# Altium PCB DCAC_V2c.PcbDoc (part 6 of 7)
Units mm, origin at the board's own origin, x right, y up, seen from the top; angles counter-clockwise.
Board outline 174.4 x 124.43 mm, 4 copper layers (Top Layer, TOP_RTN, BOTT_RTN, Bottom Layer), stack 1.506 mm thick; 694 components, 367 nets, 1780 pads, 720 vias.
Unrouted connection lines stored in the file: 177.
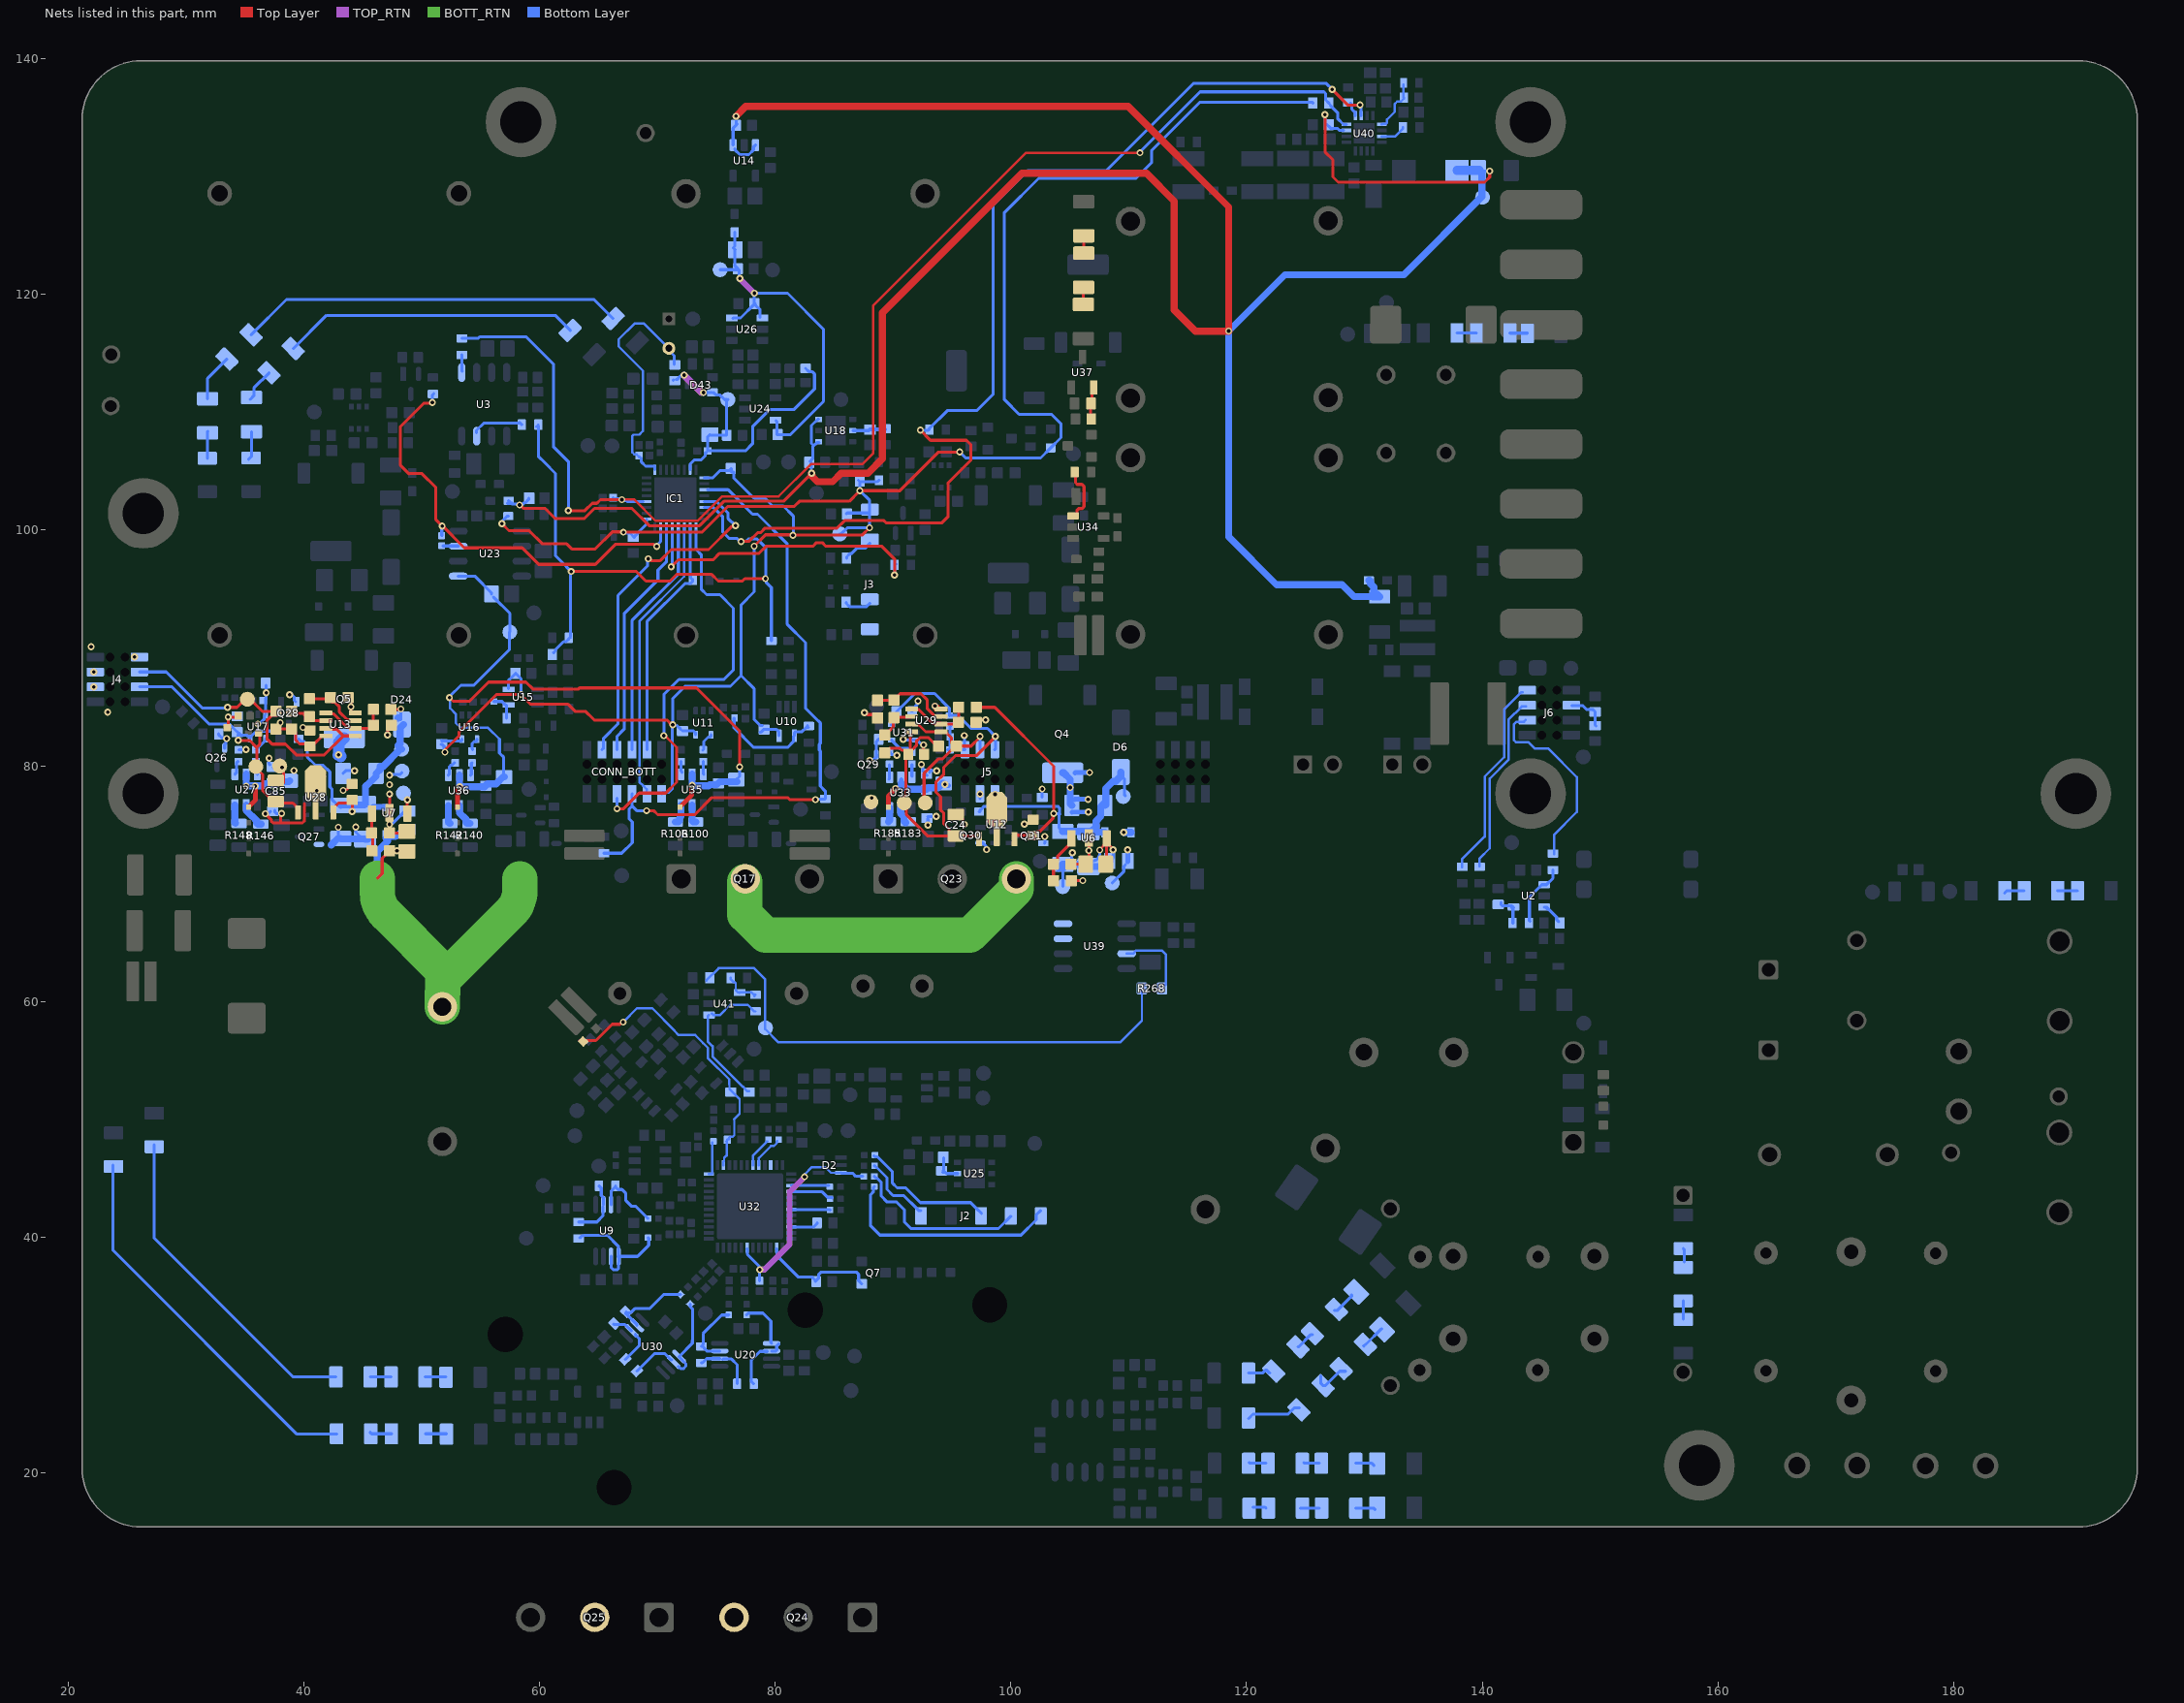
[diagram p8: the nets of this part, all layers, seen from the top]

## Via types
v1: diameter 0.6, hole 0.3, Top Layer to Bottom Layer, tented both sides, 679 vias
v2: diameter 0.6/0.6/0.6/0.6 (per signal layer), hole 0.3, Top Layer to Bottom Layer, tented both sides, 33 vias
v3: diameter 0.6, hole 0.3, Top Layer to Bottom Layer, 8 vias

## Nets (pads, with @x,y where several pads share a name; then routed paths per layer and width w, separated by ;. In a path a pad name is that pad's centre, name@x,y a point inside that pad or via, vN(x,y) a via of type N, cw(c..) or ccw(c..) an arc to the next point about the centre after c; other vN are vias at no path point) (continued)
NetR2_1: R2.1 R5.2 | length 1.5
  Bottom Layer w0.254: R5.2@142.35,116.725 142.362,116.712 143.812,116.712 R2.1@143.825,116.7
NetR5_1: R5.1 R12.2 | length 1.6
  Bottom Layer w0.254: R12.2@137.85,116.725 R5.1@139.5,116.725
NetR6_1: R6.1 R11.2 U25.2 | length 2.4
  Bottom Layer w0.254: R11.2@94.215,45.492 94.44,45.492 94.54,45.392 U25.2@95.465,45.392 ; R11.2@94.24,45.617 94.29,45.667 R6.1@94.29,46.717
NetR8_1: R8.1 R9.1 U20.1 U20.2 | length 9.2
  Bottom Layer w0.254: R8.1@77.575,33.4 77.723,33.548 78.952,33.548 79.63,32.87 79.63,31.044 79.69,30.984 U20.1@79.69,30.976 ; R9.1@78.172,27.544 77.95,27.766 77.95,29.542 78.706,30.298 79.307,30.298 U20.2@79.328,30.32 ; U20.2@79.701,30.326 80.06,30.326 80.127,30.394 80.127,30.752 U20.1@80.325,30.95
NetR9_2: R9.2 R14.1 U20.6 | length 4.8
  Bottom Layer w0.254: R14.1@73.725,29.325 73.825,29.325 74.176,29.676 U20.6@75.29,29.676 ; U20.6@75.545,29.612 75.581,29.648 76.287,29.648 76.772,29.163 R9.2@76.772,27.544
NetR14_2: R14.2 R32.1 U20.7 | length 5.7
  Bottom Layer w0.254: U20.7@75.29,30.326 74.197,30.326 74.048,30.475 74.048,30.502 73.825,30.725 R14.2@73.725,30.725 73.883,30.883 73.883,31.804 75.457,33.378 76.028,33.378 R32.1@76.05,33.4
NetR15_1: R15.1 R17.2 U2.4 | length 2.9
  Bottom Layer w0.254: R15.1@141.58,68.385 141.58,68.235 141.698,68.117 142.508,68.117 142.59,68.035 142.665,67.96 142.6,67.96 142.515,67.96 142.495,67.94 142.6,67.835 R17.2@142.6,66.655
NetR16_1: R16.1 R228.1 U10.4 | length 9
  Bottom Layer w0.254: R16.1@76.507,84.02 76.507,83.218 78.175,81.55 81.05,81.55 81.527,82.027 81.527,82.452 U10.4@81.625,82.55 81.625,82.8 81.723,82.899 82.273,82.899 82.625,83.25 R228.1@82.8,83.25 ; R228.1@82.7,83.35 R228.1@82.75,83.4
NetR17_1: R17.1 R50.2 U2.1 | length 5.4
  Bottom Layer w0.254: R17.1@144.05,66.8 144,66.85 144,68.855 145.05,69.905 145.45,69.905 145.99,70.445 R50.2@145.99,71.15
NetR18_1: R18.1 U11.4 | length 1.7
  Bottom Layer w0.254: R18.1@73.854,81.325 73.931,81.402 73.931,82.056 74.302,82.427 74.477,82.427 74.55,82.5 U11.4@74.55,82.625
NetR18_2: R18.2 U35.3 | length 1.1
  Bottom Layer w0.254: R18.2@73.9,80.35 73.9,79.325 U35.3@73.95,79.275
NetR19_2: R19.2 U3.3 | length 4.7
  Bottom Layer w0.2: R19.2@58.3,109.15 58.37,109.08 R19.2@58.5,108.95
  Bottom Layer w0.254: U3.3@54.65,108.25 54.65,108.46 55.27,109.08 58.37,109.08 R19.2@58.5,108.95
NetR20_2: R20.2 R26.1 | length 1.7
  Bottom Layer w0.254: R20.2@184.336,69.198 184.536,69.398 R26.1@185.986,69.398
NetR26_2: R26.2 R27.1 | length 1.7
  Bottom Layer w0.254: R26.2@188.836,69.398 R27.1@190.511,69.399
NetR28_1: R28.1 R29.2 | length 1.5
  Bottom Layer w0.254: R29.2@157.05,34.575 157.05,33.075 R28.1@157.075,33.05
NetR29_1: R29.1 R39.2 | length 1.2
  Bottom Layer w0.254: R39.2@157.05,39.025 157.15,38.925 R29.1@157.15,37.875
NetR31_2: R31.2 R34.1 U6.1 | length 4.3
  Top Layer w0.254: R31.2@103.55,70.325 R31.2@103.625,70.25 ; R31.2@103.775,70.325 103.613,70.487 103.613,71.637 R34.1@103.6,71.65 103.948,71.998 103.948,72.298 105.125,73.475 U6.1@105.125,73.825
NetR35_2: R35.2 R36.1 U7.1 | length 3.2
  Top Layer w0.254: R35.2@45.775,72.775 45.825,72.825 45.825,74.225 ccw(c45.75,74.225) R36.1@45.75,74.3 45.775,74.325 U7.1@45.775,75.95
NetR45_1: R45.1 R46.2 | length 3.3
  Bottom Layer w0.254: R46.2@126.309,28.206 126.309,27.572 R46.2@126.5,27.38 126.67,27.38 127.9,28.61 R45.1@128.37,28.61
NetR45_2: R45.2 R260.1 | length 2
  Bottom Layer w0.254: R45.2@129.931,30.767 R45.2@129.949,30.749 ; R45.2@130.09,30.89 130.12,30.89 131.425,32.195 R260.1@131.485,32.195
NetR46_1: R46.1 R47.2 | length 4.7
  Bottom Layer w0.254: R47.2@120.175,24.6 120.54,24.965 123.515,24.965 124.051,25.501 R46.1@124.464,25.501
NetR52_1: R52.1 R56.2 | length 1.7
  Bottom Layer w0.254: R56.2@124.355,30.675 124.4,30.675 125.455,31.73 R52.1@125.575,31.73
NetR52_2: R52.2 R261.1 | length 2
  Bottom Layer w0.254: R52.2@127.465,33.78 127.715,33.78 128.871,34.936 R261.1@128.876,34.936 ; R261.1@128.905,34.972 R261.1@128.905,35.099
NetR54_1: R54.1 R61.1 U9.1 U9.2 | length 10.9
  Bottom Layer w0.254: R54.1@63.413,39.93 63.586,40.103 63.737,40.103 63.784,40.15 65.767,40.15 66.685,39.233 66.685,38.383 U9.1@66.713,38.355 68.31,38.355 69.263,39.308 69.263,39.887 R61.1@69.2,39.95 ; U9.2@66.063,38.355 66.091,38.327 66.091,37.384 66.25,37.225 66.601,37.225 66.685,37.309 U9.1@66.685,37.81 ; U9.1@66.645,38.355 66.738,38.262 U9.1@66.738,37.88
NetR54_2: R54.2 R55.1 U9.6 | length 4.8
  Bottom Layer w0.254: R54.2@63.313,41.28 64.863,41.28 65.385,41.802 65.385,42.577 U9.6@65.388,42.58 ; R55.1@65.038,44.355 65.233,44.159 65.233,43.524 65.413,43.344 U9.6@65.413,42.755
NetR55_2: R55.2 R210.1 U9.7 | length 6
  Bottom Layer w0.254: U9.7@66.063,42.755 66.063,43.88 R55.2@66.438,44.255 ; R55.2@66.438,44.355 R55.2@66.438,44.255 ; R210.1@69.2,41.575 68.175,42.6 67.825,42.6 67.325,43.1 67.325,43.7 66.993,44.032 66.661,44.032 R55.2@66.438,44.255
NetR56_1: R56.1 R80.2 | length 2
  Bottom Layer w0.254: R80.2@120.15,28.45 121.338,28.45 121.592,28.704 121.708,28.704 R56.1@121.962,28.45
NetR68_1: R68.1 U32.24 | length 3
  Bottom Layer w0.2: U32.24@74.364,45.356 74.6,45.356 74.65,45.406 R68.1@74.65,48.016
  Bottom Layer w0.254: U32.24@74.609,45.356 U32.24@74.632,45.379
NetR82_1: R82.1 U32.46 | length 2.4
  Bottom Layer w0.254: U32.46@81.364,40.856 83.277,40.856 83.55,41.129 R82.1@83.55,41.2
NetR90_1: R90.1 R91.2 | length 1.3
  Bottom Layer w0.254: R91.2@124.85,20.85 124.9,20.8 R90.1@126.15,20.8
NetR90_2: R90.2 R264.1 | length 1.6
  Bottom Layer w0.254: R90.2@129.25,20.8 130.62,20.8 R264.1@130.8,20.62
NetR91_1: R91.1 R92.2 | length 1.4
  Bottom Layer w0.254: R92.2@120.225,20.85 120.275,20.8 R91.1@121.625,20.8
NetR94_1: R94.1 R96.2 | length 1.6
  Bottom Layer w0.254: R96.2@124.55,17 R96.2@124.75,17 R94.1@126.175,17
NetR94_2: R94.2 R265.1 | length 1.7
  Bottom Layer w0.254: R94.2@129.275,17 130.775,17 R265.1@130.885,16.89
NetR96_1: R96.1 R97.2 | length 1.1
  Bottom Layer w0.254: R97.2@120.55,17.075 121.575,17.075 R96.1@121.65,17
NetR100_1: R100.1 U35.5 | length 1.7
  Bottom Layer w0.6: U35.5@72.95,76.675 72.95,75.325 73.05,75.225 R100.1@73.25,75.225
NetR101_1: R101.1 R207.1 U30.1 U30.2 | length 10.6
  Bottom Layer w0.254: R207.1@68.27,28.63 69.74,30.1 70.645,30.1 71.17,29.575 U30.2@71.225,29.575 ; U30.2@71.75,29 71.824,29 71.999,28.825 72.2,28.825 72.414,29.039 72.414,29.25 71.845,29.819 U30.1@71.845,29.83 ; U30.1@71.845,29.859 72.97,30.984 72.97,31.201 72.975,31.206 72.975,33.904 72.782,34.097 R101.1@72.782,34.307
NetR103_1: R103.1 R234.1 U15.4 | length 2.3
  Bottom Layer w0.254: R103.1@56.125,85.45 56.8,85.45 57.098,85.152 57.2,85.152 R234.1@57.2,84.025
NetR104_1: R104.1 U16.4 | length 1.2
  Bottom Layer w0.254: R104.1@54.3,81.35 54.3,81.423 54.275,81.448 54.275,81.871 54.456,82.052 54.627,82.052 54.7,82.125 U16.4@54.7,82.25
NetR104_2: R104.2 U36.3 | length 1.1
  Bottom Layer w0.254: U36.3@54.15,79.2 54.213,79.262 54.213,79.4 54.213,80.188 R104.2@54.275,80.25
NetR105_2: R105.2 U35.1 | length 0.9
  Bottom Layer w0.254: R105.2@72,80.35 72,79.55 U35.1@72.1,79.45
NetR106_1: R106.1 U35.6 | length 1.8
  Bottom Layer w0.6: R106.1@71.525,75.225 71.775,75.225 71.875,75.325 71.875,75.551 72,75.676 U35.6@72,76.675
NetR108_2: R108.2 R121.1 U29.6 | length 3.2
  Top Layer w0.254: R108.2@89.31,82.61 90.025,83.325 R121.1@90.025,84.08 ; R121.1@90.102,84.102 91.422,84.102 U29.6@91.485,84.165
NetR113_1: R113.1 R134.2 | length 1.9
  Bottom Layer w0.254: R113.1@45.625,23.425 45.75,23.3 R134.2@47.425,23.3
NetR113_2: R113.2 R201.2 | length 32.7
  Bottom Layer w0.254: R201.2@23.8,46.1 23.8,38.885 39.41,23.275 R113.2@42.8,23.275
NetR121_2: R121.2 R125.1 U29.3 | length 7
  Top Layer w0.254: R125.1@88.68,85.555 R121.2@90.045,85.555 ; R121.2@90.065,85.575 90.597,86.107 92.365,86.107 92.905,85.567 92.905,84.837 93.494,84.248 94.002,84.248 U29.3@94.075,84.175 ; R121.2@90.394,85.904 90.534,86.044
NetR123_2: R123.2 R124.1 U29.2 U29.5 | length 5.9
  Top Layer w0.254: U29.5@91.575,84.825 91.633,84.767 92.175,84.767 93.344,83.598 94.002,83.598 U29.2@94.075,83.525 95.375,83.525 R124.1@95.55,83.7 ; R123.2@95.565,84.96 95.558,84.952 95.558,83.752 R124.1@95.63,83.68
NetR127_2: R127.2 R128.2 | length 2.5
  Bottom Layer w0.254: R127.2@35.3,106 35.55,106.25 R128.2@35.55,108.35
NetR128_1: R128.1 R129.2 | length 2.9
  Bottom Layer w0.254: R128.1@35.45,111.1 35.757,111.407 35.757,112.057 R129.2@37.05,113.35
NetR129_1: R129.1 R131.2 | length 25.2
  Bottom Layer w0.254: R129.1@39.1,115.4 41.925,118.225 61.325,118.225 R131.2@62.6,116.95
NetR134_1: R134.1 R135.2 | length 1.8
  Bottom Layer w0.254: R134.1@50.325,23.3 R135.2@52.1,23.3
NetR138_2: R138.2 U3.5 | length 1.4
  Bottom Layer w0.254: R138.2@53.4,114.875 53.395,114.87 53.395,113.53 U3.5@53.45,113.475
NetR139_1: R139.1 R173.2 | length 1.8
  Bottom Layer w0.254: R139.1@45.625,28.125 R173.2@47.4,28.125
NetR139_2: R139.2 R202.2 | length 28.2
  Bottom Layer w0.254: R202.2@27.275,47.815 27.275,39.935 39.06,28.15 R139.2@42.725,28.15
NetR140_1: R140.1 U36.5 | length 2
  Bottom Layer w0.6: U36.5@53.2,76.6 53.2,76 53.75,75.45 53.75,75.2 53.85,75.1 R140.1@54.1,75.1
NetR141_2: R141.2 U36.1 | length 1.3
  Bottom Layer w0.254: U36.1@52.25,79.2 52.334,79.284 52.334,79.903 52.482,80.052 52.577,80.052 R141.2@52.775,80.25
NetR142_1: R142.1 U36.6 | length 1.6
  Bottom Layer w0.6: U36.6@52.25,76.6 52.25,75.2 52.35,75.1 R142.1@52.4,75.1
NetR145_1: R145.1 U17.4 | length 1.3
  Bottom Layer w0.254: R145.1@35.925,81.35 36.677,82.102 36.75,82.175 U17.4@36.75,82.3
NetR145_2: R145.2 U27.3 | length 1.1
  Bottom Layer w0.254: R145.2@35.925,80.35 35.988,80.287 35.988,79.337 U27.3@36.05,79.275
NetR146_1: R146.1 U27.5 | length 2.3
  Bottom Layer w0.6: U27.5@35.1,76.675 35.1,76.193 35.596,75.697 35.649,75.697 36,75.346 36,75.15 36.1,75.05 R146.1@36.35,75.05
NetR147_2: R147.2 U27.1 | length 1.2
  Bottom Layer w0.254: U27.1@34.15,79.275 34.275,79.4 34.275,80.225 R147.2@34.4,80.35
NetR148_1: R148.1 U27.6 | length 1.6
  Bottom Layer w0.6: U27.6@34.15,76.675 34.15,75.175 R148.1@34.2,75.125
NetR161_2: R161.2 R168.2 | length 2.3
  Bottom Layer w0.254: R161.2@31.8,106.1 31.8,108.325 R168.2@31.85,108.375
NetR162_2: R162.2 R163.1 U13.6 | length 3.4
  Top Layer w0.254: R162.2@38.965,84.62 39.137,84.448 39.672,84.448 ; 39.673,84.447 39.937,84.447 40.113,84.271 40.113,84.007 40.29,83.83 U13.6@41.86,83.83
NetR163_2: R163.2 R167.1 U13.3 | length 5.2
  Top Layer w0.254: R163.2@40.43,85.685 42.165,85.685 R167.1@42.26,85.78 ; R167.1@42.25,85.76 42.327,85.683 42.327,85.478 42.393,85.412 42.598,85.412 43.02,84.99 43.02,84.555 43.672,83.903 44.287,83.903 U13.3@44.36,83.83
NetR165_2: R165.2 R166.1 U13.2 U13.5 | length 5.9
  Top Layer w0.254: U13.5@41.86,84.48 41.933,84.407 42.528,84.407 43.682,83.253 U13.2@44.287,83.253 ; U13.2@44.36,83.18 45.635,83.18 R166.1@45.91,83.455 45.9,83.465 45.9,84.73 R165.2@45.85,84.78
NetR168_1: R168.1 R169.2 | length 4.1
  Bottom Layer w0.254: R168.1@31.825,111.15 31.825,112.875 R169.2@33.475,114.525
NetR169_1: R169.1 R170.2 | length 32.6
  Bottom Layer w0.254: R169.1@35.525,116.575 38.525,119.575 64.625,119.575 R170.2@66.25,117.95
NetR173_1: R173.1 R190.2 | length 1.8
  Bottom Layer w0.254: R173.1@50.3,28.125 R190.2@52.066,28.125
NetR181_1: R181.1 U31.4 | length 2.3
  Bottom Layer w0.254: U31.4@89.875,82.175 90.575,81.475 91.275,81.475 R181.1@91.6,81.15 ; R181.1@91.475,80.95 R181.1@91.475,81.15
NetR181_2: R181.2 U33.3 | length 1
  Bottom Layer w0.254: R181.2@91.6,80.1 91.6,79.125 U33.3@91.625,79.1
NetR183_1: R183.1 U33.5 | length 1.4
  Bottom Layer w0.6: U33.5@90.65,76.425 90.65,75.943 90.95,75.643 90.95,75.3 R183.1@91.075,75.175
NetR184_2: R184.2 U33.1 | length 1.3
  Bottom Layer w0.254: U33.1@89.65,78.85 89.7,78.9 U33.1@89.7,79.025 R184.2@89.7,80.1
NetR185_1: R185.1 U33.6 | length 1.2
  Bottom Layer w0.6: R185.1@89.6,75.25 89.7,75.35 U33.6@89.7,76.425
NetR198_1: R198.1 R248.2 U40.9 | length 4.5
  Bottom Layer w0.203: U40.9@131.475,134.425 131.523,134.473 131.806,134.473 131.925,134.592 131.925,134.85 132.579,135.504 132.579,136.18 132.776,136.377 133.102,136.377 133.35,136.625 R248.2@133.35,136.7 133.325,136.725 R198.1@133.325,137.8
NetR203_1: R203.1 U23.7 | length 1.4
  Bottom Layer w0.254: R203.1@51.8,98.63 51.827,98.657 53.078,98.657 U23.7@53.1,98.635 ; U23.7@52.73,98.655 U23.7@52.755,98.63
NetR204_2: R204.2 R267.1 U41.4 | length 3.3
  Bottom Layer w0.203: R204.2@76.2,62 76.2,61.9 76.448,61.652 76.531,61.652 76.65,61.533 76.65,60.948 76.823,60.775 U41.4@77.021,60.775 ; U41.4@76.975,60.75 U41.4@77.021,60.775 ; R267.1@78.2,60.6 R267.1@78.326,60.553 ; R267.1@78.25,60.45 78.25,60.502 78.176,60.576 77.977,60.775 U41.4@77.021,60.775
NetR206_1: R206.1 U34.1 | length 4.8
  Top Layer w0.254: U34.1@105.275,101.2 105.417,101.2 105.59,101.373 105.59,101.671 105.739,101.82 106.026,101.82 106.205,101.999 106.205,103.701 106.026,103.88 105.624,103.88 105.475,104.029 R206.1@105.475,104.815
NetR207_2: R207.2 R244.1 U30.6 | length 4.5
  Bottom Layer w0.254: R244.1@66.275,32.625 66.316,32.584 67.242,32.584 67.775,32.051 U30.6@67.815,32.051 ; R207.2@67.28,29.62 68.475,30.815 68.475,31.351 68.125,31.701 U30.6@68.125,31.75
NetR216_1: R216.1 R238.2 U37.2 | length 2.8
  Top Layer w0.254: R238.2@106.825,109.425 106.75,109.5 106.75,110.75 106.8,110.8 106.888,110.887 106.888,111.963 U37.2@107.025,112.1
NetR222_1: R222.1 R232.2 U18.2 | length 2.7
  Bottom Layer w0.3: U18.2@86.625,108.45 87.925,108.45 88.025,108.55 R232.2@89.325,108.55
NetR239_2: R239.2 R240.1 | length 1.4
  Top Layer w0.254: R239.2@106.15,119.15 R240.1@106.15,120.55
NetR240_2: R240.2 R242.1 | length 1.4
  Top Layer w0.254: R242.1@106.125,124.9 106.175,124.85 R240.2@106.175,123.5
NetR244_2: R244.2 R245.1 U30.7 | length 6.7
  Bottom Layer w0.254: R244.2@67.325,33.575 67.325,33.499 68.274,32.55 U30.7@68.274,32.51 ; R244.2@67.345,33.645 67.416,33.574 67.731,33.574 68.082,33.925 69.325,33.925 70.532,35.132 R245.1@71.957,35.132
NetR249_2: R249.2 U40.11 | length 2.2
  Bottom Layer w0.203: U40.11@131.475,133.425 132.625,133.425 133.275,134.075 R249.2@133.275,134.175
NetR250_2: R250.2 U40.5 | length 1.2
  Bottom Layer w0.254: R250.2@128.825,136.225 128.923,136.127 128.923,135.727 129.225,135.425 U40.5@129.225,135.175
NetR254_2: R254.2 R268.2 TP39.1 | length 46
  Bottom Layer w0.203: R254.2@74.145,61.77 75.2,62.825 78.2,62.825 79.15,61.875 79.15,57.65 80.275,56.525 109.275,56.525 111.116,58.366 R268.2@111.116,61.1
NetR255_1: R255.1 R267.2 U41.1 | length 12.4
  Bottom Layer w0.203: U41.1@74.375,58.85 74.303,58.778 74.303,56.572 74.677,56.198 74.677,55.327 77.255,52.748 77.283,52.748 77.402,52.629 77.402,52.598 77.625,52.375 R255.1@77.775,52.375 ; U41.1@74.625,58.975 74.75,58.85 75.325,58.85 76.175,59.7 77.675,59.7 78.225,59.15 R267.2@78.325,59.15
NetR259_1: R259.1 U2.3 | length 2.1
  Bottom Layer w0.254: U2.3@145.25,68.005 U2.3@145.327,68.005 ; U2.3@145.5,67.832 U2.3@145.327,68.005 ; R259.1@146.48,66.775 146.307,66.948 146.307,67.148 145.45,68.005 U2.3@145.327,68.005
NetR268_1: R268.1 U39.7 | length 6.2
  Bottom Layer w0.203: U39.7@109.82,64.05 110.362,64.05 110.637,64.325 112.8,64.325 113.158,63.967 113.158,61.458 R268.1@113.075,61.375
NRST_1: J3.5
NRST_2: J2.5 R266.1 | length 15.1
  Bottom Layer w0.254: R266.1@88.415,45.145 88.563,44.997 88.642,44.997 88.779,44.86 88.99,44.649 88.99,43.485 89.5,42.975 90.3,42.975 90.96,42.315 90.96,41.28 91.52,40.72 98.945,40.72 J2.5@99.99,41.765
NRST_uC_2: C46.1 D2.3 R266.2 U32.7 | length 18.4
  TOP_RTN w0.5: v1(78.69,37.23) 78.709,37.249 79.089,37.249 81.225,39.385 81.225,43.85 v1(82.49,45.115)
  Bottom Layer w0.2: v1@82.515,45.14 82.515,45.342 83.08,45.908 84.28,45.908 84.732,45.455 D2.3@85.58,45.455
  Bottom Layer w0.254: U32.7@77.614,38.986 77.636,38.964 77.636,38.529 78.624,37.541 78.624,37.296 v1(78.69,37.23) ; v1@78.63,37.17 78.675,37.125 C46.1@78.675,36.29 ; D2.3@85.58,45.455 85.628,45.407 86.588,45.407 86.84,45.155 R266.2@87.427,45.155
OC_IN_BOTT_1: CONN_BOTT.8 IC1.25 | length 35.3
  Top Layer w0.254: v1@66.625,76.4 66.675,76.35 67.125,76.35 68.457,77.682 70.696,77.682 71.625,78.611 71.625,81.569 70.644,82.55 v1(70.55,82.55)
  Bottom Layer w0.254: v1(66.575,76.35) 66.585,76.36 CONN_BOTT.8@66.585,77.25 ; v1(70.55,82.55) 70.55,86.05 71.825,87.325 75.65,87.325 76.45,88.125 76.45,93.375 75.3,94.525 74.175,94.525 73.745,94.955 73.745,97.88 73.275,98.35 IC1.25@73.275,99.927
OC_OUT_2: R182.2 U32.31 | length 2.6
  Bottom Layer w0.203: U32.31@78.114,46.106 78.126,46.118 78.126,46.926 79.252,48.052 79.252,48.102 79.275,48.125 R182.2@79.325,48.125
OC_OUT_BOTT_1: CONN_BOTT.6 IC1.19 R227.1 R233.1 | length 56.1
  Top Layer w0.254: v1@69.15,76.125 69.21,76.185 69.69,76.185 70.025,75.85 73.175,75.85 74.625,77.3 81.05,77.3 81.225,77.125 v1(83.425,77.125)
  Bottom Layer w0.254: R233.1@65.475,72.575 66.975,72.575 67.865,73.465 67.865,75.23 67.6,75.495 67.6,76.325 67.85,76.575 ; CONN_BOTT.6@67.84,77.63 67.857,77.613 67.857,76.574 68.247,76.185 v1(69.075,76.185) ; IC1.19@74.273,103.425 76,103.425 78.075,101.35 78.5,101.35 81.025,98.825 81.025,92 82.575,90.45 82.575,84.875 83.42,84.03 83.426,84.03 83.825,83.631 83.825,81.905 83.745,81.826 83.745,81.324 83.825,81.245 83.825,78.275 84.25,77.85 R227.1@84.25,77.2 ; v1(83.425,77.125) 83.463,77.162 R227.1@84.212,77.162
OV_OUT_BOTT_1: CONN_BOTT.7 IC1.30 | length 20.6
  Bottom Layer w0.254: CONN_BOTT.7@66.57,81.37 66.57,82.495 67.175,83.1 67.175,92.9 70.045,95.77 70.045,96.61 70.775,97.339 IC1.30@70.775,100.225
PGOOD_DCDC_BOOST_1: C72.1 IC1.4 R138.1 R187.1 U40.4 | length 115.7
  Top Layer w0.203: v1(66.98,102.586) 68.039,102.586 69.844,100.781 73.407,100.781 75.482,102.856 80.287,102.856 83.056,105.625 87.425,105.625 88.325,106.525 88.325,119.075 101.275,132.025 v1(110.95,132.025)
  Top Layer w0.254: v1(62.45,101.65) 63.845,101.65 64.469,102.274 64.855,102.274 65.167,102.586 v1(66.98,102.586)
  Bottom Layer w0.254: R138.1@53.4,116.275 54.789,116.275 54.919,116.405 58.87,116.405 61.175,114.1 61.175,107.075 62.475,105.775 62.475,101.675 v1(62.45,101.65) ; C72.1@66.24,102.75 C72.1@66.396,102.594 ; C72.1@66.396,102.595 66.453,102.652 66.914,102.652 v1(66.98,102.586) ; v1@66.98,102.475 67.025,102.52 67.359,102.52 67.454,102.425 IC1.4@68.777,102.425 ; v1(110.95,132.025) 110.95,132.1 116.048,137.198 126.553,137.198 126.702,137.049 126.702,136.523 R187.1@126.975,136.25 ; R187.1@127.1,136.075 127.1,136.05 127.725,135.425 127.725,134.925 128.225,134.425 U40.4@128.475,134.425
RELAY_GRID_LVL1: J6.8 R43.2 | length 17
  Bottom Layer w0.203: R43.2@138.3,71.4 138.3,72.095 140.2,73.995 140.2,79.075 141.844,80.719 141.844,84.784 143.285,86.225 J6.8@143.425,86.225
RELAY_GRID_LVL2: J6.6 R48.2 | length 15.4
  Bottom Layer w0.203: R48.2@139.775,71.475 139.775,72.14 140.625,72.99 140.625,78.9 142.225,80.5 142.225,83.895 143.355,85.025 J6.6@143.7,85.025
RELAY_SENSE: J6.4 R50.1 | length 16.5
  Bottom Layer w0.203: J6.4@143.675,83.875 143.534,83.734 142.909,83.734 142.675,83.5 142.675,82.175 142.846,82.004 143.921,82.004 143.975,81.95 144.475,81.45 145.611,81.45 148.021,79.04 148.021,76.071 146.08,74.13 R50.1@146.08,72.485
SPI_MISO_BOTT: CONN_BOTT.4 IC1.27 | length 24.4
  Bottom Layer w0.203: CONN_BOTT.4@69.1,77.62 69.1,77.99 68.786,78.304 68.786,78.306 68.475,78.618 68.475,82.235 68.475,92.275 72.267,96.067 72.267,100.167 IC1.27@72.275,100.175
SPI_MISO_TOP_HF_MOS_2: R118.1 U32.40 | length 3.7
  Bottom Layer w0.254: U32.40@81.364,43.856 83.944,43.856 84.435,43.365 84.788,43.365 R118.1@84.843,43.31
SPI_MOSI_BOTT: CONN_BOTT.5 IC1.28 | length 20.2
  Bottom Layer w0.254: CONN_BOTT.5@67.84,81.37 67.84,92.315 71.775,96.25 IC1.28@71.775,99.927
SPI_MOSI_TOP_HF_MOS_2: R51.1 U32.43 | length 3.3
  Bottom Layer w0.254: U32.43@81.364,42.356 81.387,42.333 84.617,42.333 R51.1@84.65,42.3
SPI_SCK_BOTT: CONN_BOTT.3 IC1.26 R177.1 | length 20.8